# Allegro board SDHCalFEB_old.brd (continued)
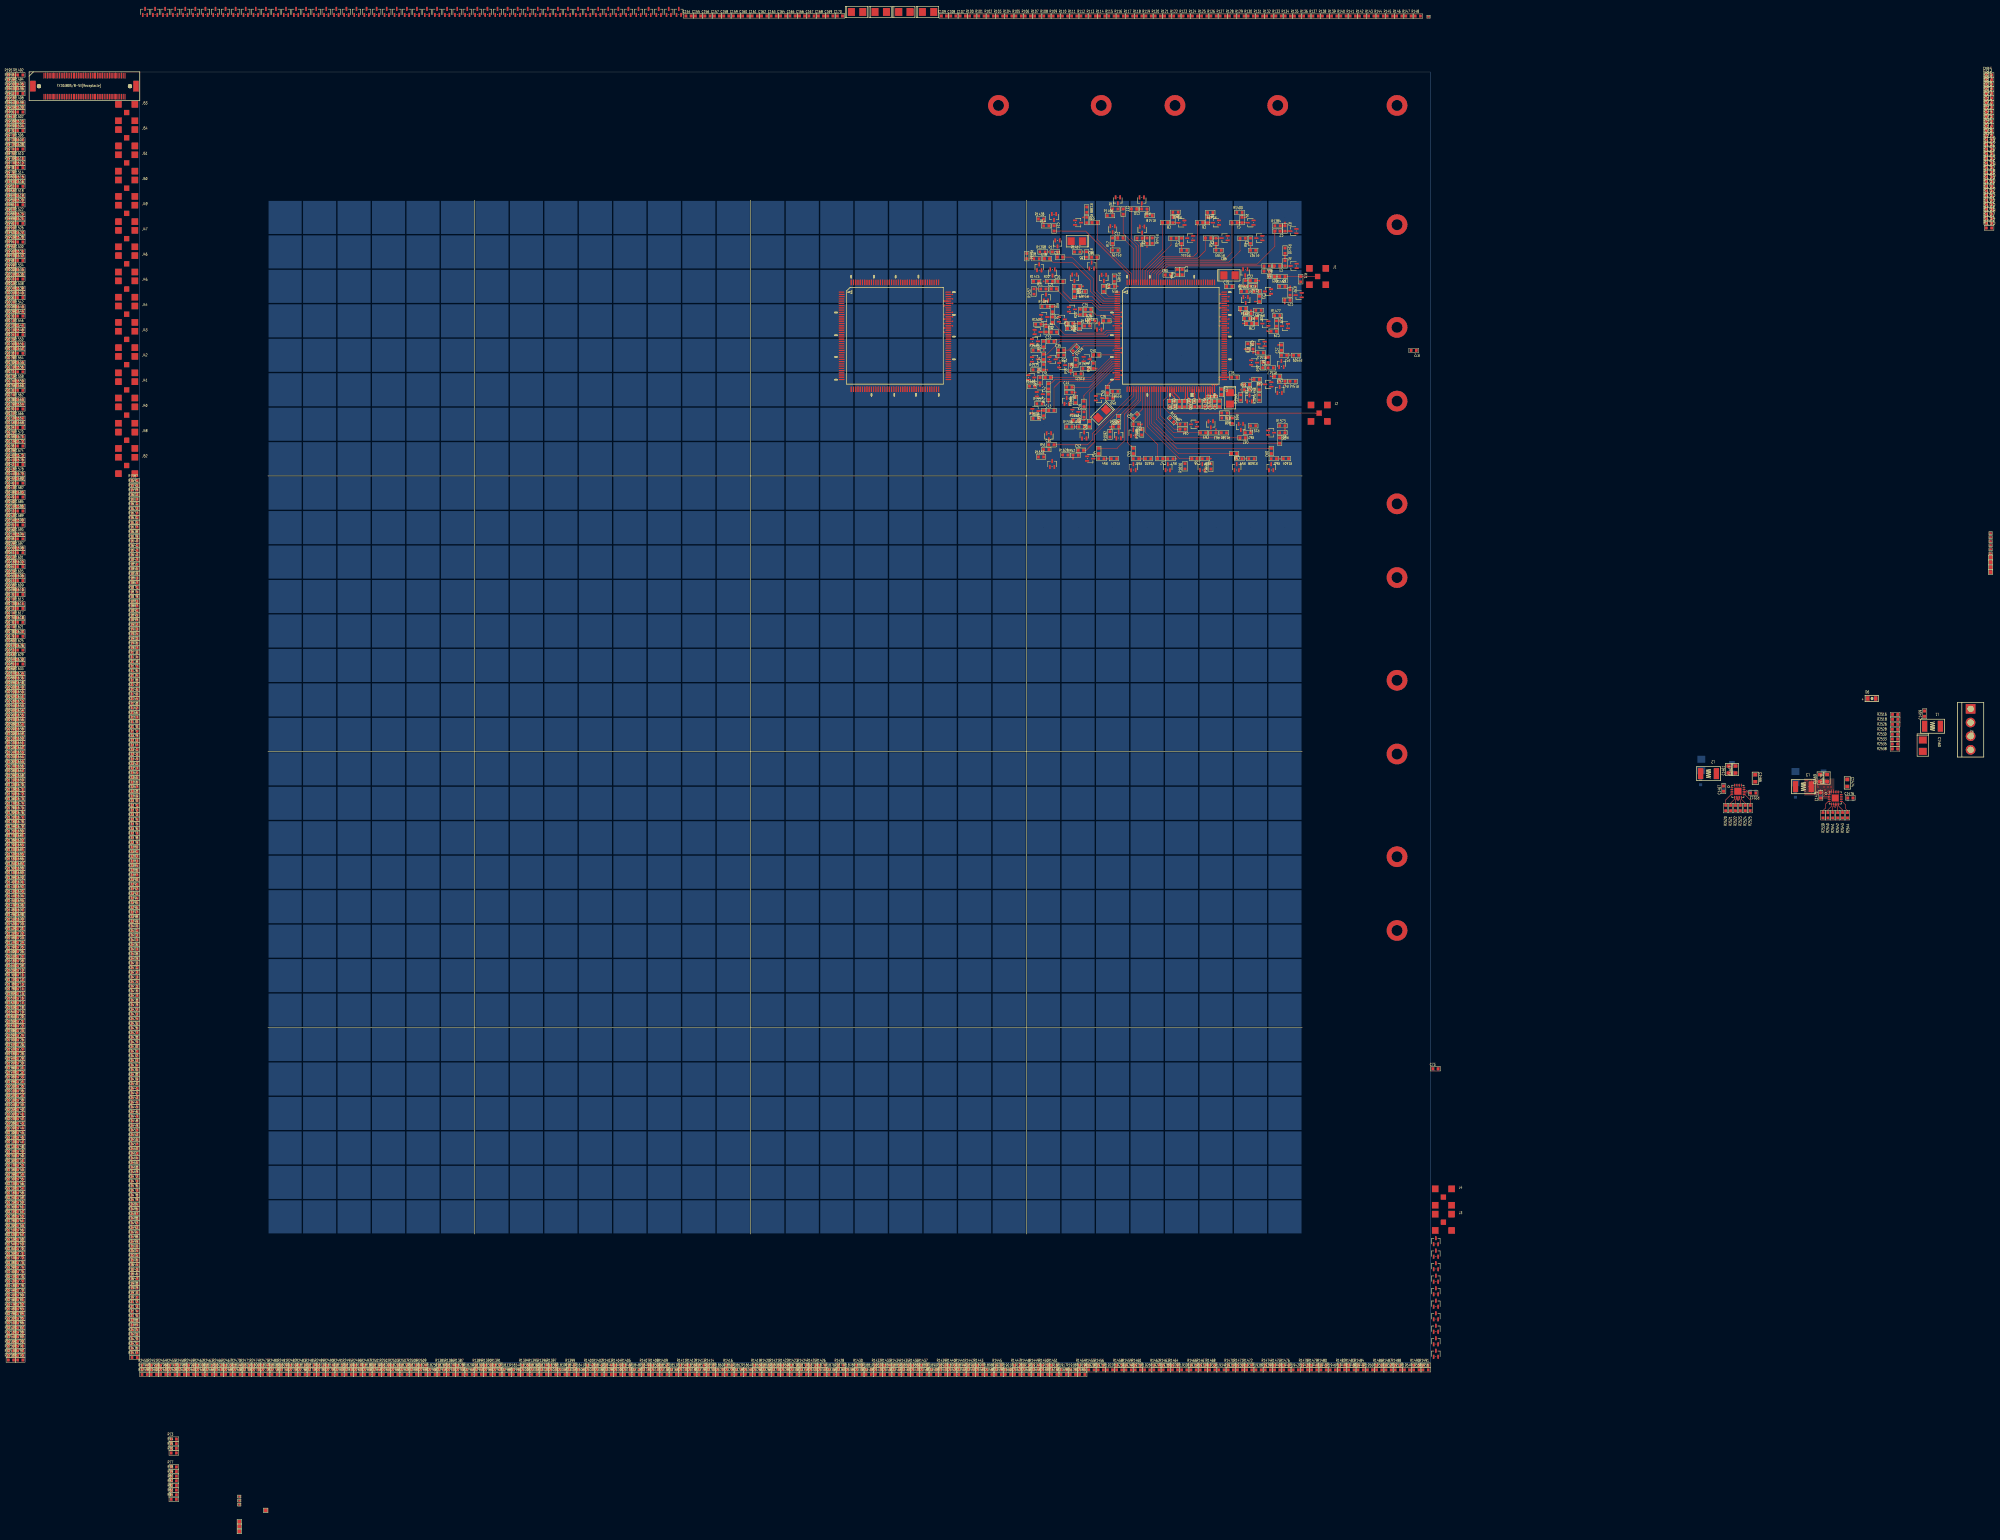
[diagram p0: board, top side]
## Nets (continued)
N10224: P1.N1 R1773.2
N10228: P1.N2 R1777.2
N10232: P1.N3 R1781.2
N10236: P1.N4 R1785.2
N10240: P1.N5 R1789.2
N10244: P1.N6 R1793.2
N10248: P1.N7 R1797.2
N10252: P1.N8 R1801.2
N10256: P1.P1 R1805.2
N10260: P1.P2 R1809.2
N10264: P1.P3 R1813.2
N10268: P1.P4 R1817.2
N10272: P1.P5 R1821.2
N10276: P1.P6 R1825.2
N10280: P1.P7 R1829.2
N10284: P1.P8 R1833.2
N10288: P1.Q1 R1837.2
N10292: P1.Q2 R1841.2
N10296: P1.Q4 R1848.2
N10300: P1.Q3 R1844.2
N10304: P1.Q6 R1856.2
N10308: P1.Q5 R1852.2
N10312: P1.Q8 R1864.2
N10316: P1.Q7 R1860.2
N10320: P1.R4 R1880.2
N10324: P1.R3 R1876.2
N10328: P1.R2 R1872.2
N10332: P1.R1 R1868.2
N10336: P1.R8 R1896.2
N10340: P1.R7 R1892.2
N10344: P1.R6 R1888.2
N10348: P1.R5 R1884.2
N11120: P1.J9 R1650.2
N11124: P1.J10 R1653.2
N11128: P1.J11 R1655.2
N11132: P1.J12 R1705.2
N11136: P1.J13 R1695.2
N11140: P1.J14 R1661.2
N11144: P1.J15 R1664.2
N11148: P1.J16 R1667.2
N11152: P1.K9 R1699.2
N11156: P1.K10 R1701.2
N11160: P1.K11 R1673.2
N11164: P1.K12 R1676.2
N11168: P1.K13 R1679.2
N11172: P1.K14 R1716.2
N11176: P1.K15 R1707.2
N11180: P1.K16 R1708.2
N11184: P1.L9 R1689.2
N11188: P1.L10 R1709.2
N11192: P1.L12 R1726.2
N11196: P1.L11 R1722.2
N11200: P1.L14 R1734.2
N11204: P1.L13 R1730.2
N11208: P1.L16 R1742.2
N11212: P1.L15 R1738.2
N11216: P1.M12 R1758.2
N11220: P1.M11 R1754.2
N11224: P1.M10 R1750.2
N11228: P1.M9 R1746.2
N11232: P1.M16 R1774.2
N11236: P1.M15 R1770.2
N11240: P1.M14 R1766.2
N11244: P1.M13 R1762.2
N11248: P1.N9 R1778.2
N11252: P1.N10 R1782.2
N11256: P1.N11 R1786.2
N11260: P1.N12 R1790.2
N11264: P1.N13 R1794.2
N11268: P1.N14 R1798.2
N11272: P1.N15 R1802.2
N11276: P1.N16 R1806.2
N11280: P1.P9 R1810.2
N11284: P1.P10 R1814.2
N11288: P1.P11 R1818.2
N11292: P1.P12 R1822.2
N11296: P1.P13 R1826.2
N11300: P1.P14 R1830.2
N11304: P1.P15 R1834.2
N11308: P1.P16 R1838.2
N11312: P1.Q9 R1842.2
N11316: P1.Q10 R1845.2
N11320: P1.Q12 R1853.2
N11324: P1.Q11 R1849.2
N11328: P1.Q14 R1861.2
N11332: P1.Q13 R1857.2
N11336: P1.Q16 R1869.2
N11340: P1.Q15 R1865.2
N11344: P1.R12 R1885.2
N11348: P1.R11 R1881.2
N11352: P1.R10 R1877.2
N11356: P1.R9 R1873.2
N11360: P1.R16 R1900.2
N11364: P1.R15 R1897.2
N11368: P1.R14 R1893.2
N11372: P1.R13 R1889.2
N11888: P1.J17 R1651.2
N11892: P1.J18 R1710.2
N11896: P1.J19 R1693.2
N11900: P1.J20 R1694.2
N11904: P1.J21 R1659.2
N11908: P1.J22 R1662.2
N11912: P1.J23 R1665.2
N11916: P1.J24 R1713.2
N11920: P1.K17 R1669.2
N11924: P1.K18 R1671.2
N11928: P1.K19 R1674.2
N11932: P1.K20 R1677.2
N11936: P1.K21 R1715.2
N11940: P1.K22 R1704.2
N11944: P1.K23 R1683.2
N11948: P1.K24 R1686.2
N11952: P1.L17 R1717.2
N11956: P1.L18 R1719.2
N11960: P1.L20 R1727.2
N11964: P1.L19 R1723.2
N11968: P1.L22 R1735.2
N11972: P1.L21 R1731.2
N11976: P1.L24 R1743.2
N11980: P1.L23 R1739.2
N11984: P1.M20 R1759.2
N11988: P1.M19 R1755.2
N11992: P1.M18 R1751.2
N11996: P1.M17 R1747.2
N12000: P1.M24 R1775.2
N12004: P1.M23 R1771.2
N12008: P1.M22 R1767.2
N12012: P1.M21 R1763.2
N12016: P1.N17 R1779.2
N12020: P1.N18 R1783.2
N12024: P1.N19 R1787.2
N12028: P1.N20 R1791.2
N12032: P1.N21 R1795.2
N12036: P1.N22 R1799.2
N12040: P1.N23 R1803.2
N12044: P1.N24 R1807.2
N12048: P1.P17 R1811.2
N12052: P1.P18 R1815.2
N12056: P1.P19 R1819.2
N12060: P1.P20 R1823.2
N12064: P1.P21 R1827.2
N12068: P1.P22 R1831.2
N12072: P1.P23 R1835.2
N12076: P1.P24 R1839.2
N12080: P1.Q17 R1843.2
N12084: P1.Q18 R1846.2
N12088: P1.Q20 R1854.2
N12092: P1.Q19 R1850.2
N12096: P1.Q22 R1862.2
N12100: P1.Q21 R1858.2
N12104: P1.Q24 R1870.2
N12108: P1.Q23 R1866.2
N12112: P1.R20 R1886.2
N12116: P1.R19 R1882.2
N12120: P1.R18 R1878.2
N12124: P1.R17 R1874.2
N12128: P1.R24 R1901.2
N12132: P1.R23 R1898.2
N12136: P1.R22 R1894.2
N12140: P1.R21 R1890.2
N12656: P1.J25 R1691.2
N12660: P1.J26 R1692.2
N12664: P1.J27 R1656.2
N12668: P1.J28 R1658.2
N12672: P1.J29 R1660.2
N12676: P1.J30 R1663.2
N12680: P1.K25 R1712.2
N12684: P1.K26 R1698.2
N12688: P1.K27 R1670.2
N12692: P1.K28 R1672.2
N12696: P1.K29 R1714.2
N12700: P1.K30 R1706.2
N12704: P1.L25 R1703.2
N12708: P1.L26 R1681.2
N12712: P1.L27 R1684.2
N12716: P1.L28 R1687.2
N12720: P1.L29 R1718.2
N12724: P1.L30 R1720.2
N12728: P1.M26 R1728.2
N12732: P1.M25 R1724.2
N12736: P1.M28 R1736.2
N12740: P1.M27 R1732.2
N12744: P1.M30 R1744.2
N12748: P1.M29 R1740.2
N12752: P1.N28 R1760.2
N12756: P1.N27 R1756.2
N12760: P1.N26 R1752.2
N12764: P1.N25 R1748.2
N12768: P1.P26 R1776.2
N12772: P1.P25 R1772.2
N12776: P1.N30 R1768.2
N12780: P1.N29 R1764.2
N12784: P1.P27 R1780.2
N12788: P1.P28 R1784.2
N12792: P1.P29 R1788.2
N12796: P1.P30 R1792.2
N12800: P1.Q25 R1796.2
N12804: P1.Q26 R1800.2
N12808: P1.Q27 R1804.2
N12812: P1.Q28 R1808.2
N12816: P1.Q29 R1812.2
N12820: P1.Q30 R1816.2
N12824: P1.R25 R1820.2
N12828: P1.R26 R1824.2
N12832: P1.R27 R1828.2
N12836: P1.R28 R1832.2
N12840: P1.R29 R1836.2
N12844: P1.R30 R1840.2
N13558: P1.S1 R1912.2
N13562: P1.S2 R1936.2
N13566: P1.S3 R1940.2
N13570: P1.S4 R1914.2
N13574: P1.S5 R1945.2
N13578: P1.S6 R1947.2
N13582: P1.S7 R1949.2
N13586: P1.S8 R1952.2
N13590: P1.T1 R1919.2
N13594: P1.T2 R1957.2
N13598: P1.T3 R1958.2
N13602: P1.T4 R1961.2
N13606: P1.T5 R1965.2
N13610: P1.T6 R1926.2
N13614: P1.T7 R1927.2
N13618: P1.T8 R1973.2
N13622: P1.U1 R1974.2
N13626: P1.U2 R1933.2
N13630: P1.U4 R1988.2
N13634: P1.U3 R1984.2
N13638: P1.U6 R1996.2
N13642: P1.U5 R1992.2
N13646: P1.U8 R2004.2
N13650: P1.U7 R2000.2
N13654: P1.V4 R2020.2
N13658: P1.V3 R2016.2
N13662: P1.V2 R2012.2
N13666: P1.V1 R2008.2
N13670: P1.V8 R2036.2
N13674: P1.V7 R2032.2
N13678: P1.V6 R2028.2
N13682: P1.V5 R2024.2
N13686: P1.W1 R2040.2
N13690: P1.W2 R2044.2
N13694: P1.W3 R2048.2
N13698: P1.W4 R2052.2
N13702: P1.W5 R2056.2
N13706: P1.W6 R2060.2
N13710: P1.W7 R2064.2
N13714: P1.W8 R2068.2
N13718: P1.Y1 R2072.2
N13722: P1.Y2 R2076.2
N13726: P1.Y3 R2080.2
N13730: P1.Y4 R2084.2
N13734: P1.Y5 R2088.2
N13738: P1.Y6 R2092.2
N13742: P1.Y7 R2096.2
N13746: P1.Y8 R2100.2
N13750: P1.Z1 R2104.2
N13754: P1.Z2 R2107.2
N13758: P1.Z4 R2115.2
N13762: P1.Z3 R2111.2
N13766: P1.Z6 R2123.2
N13770: P1.Z5 R2119.2
N13774: P1.Z8 R2131.2
N13778: P1.Z7 R2127.2
N13782: P1.AA4 R2147.2
N13786: P1.AA3 R2143.2
N13790: P1.AA2 R2139.2
N13794: P1.AA1 R2135.2
N13798: P1.AA8 R2163.2
N13802: P1.AA7 R2159.2
N13806: P1.AA6 R2155.2
N13810: P1.AA5 R2151.2
N14326: P1.S9 R1913.2
N14330: P1.S10 R1937.2
N14334: P1.S11 R1941.2
N14338: P1.S12 R1924.2
N14342: P1.S13 R1915.2
N14346: P1.S14 R1975.2
N14350: P1.S15 R1950.2
N14354: P1.S16 R1953.2
N14358: P1.T9 R1920.2
N14362: P1.T10 R1976.2
N14366: P1.T11 R1959.2
N14370: P1.T12 R1962.2
N14374: P1.T13 R1966.2
N14378: P1.T14 R1969.2
N14382: P1.T15 R1928.2
N14386: P1.T16 R1930.2
N14390: P1.U9 R1978.2
N14394: P1.U10 R1981.2
N14398: P1.U12 R1989.2
N14402: P1.U11 R1985.2
N14406: P1.U14 R1997.2
N14410: P1.U13 R1993.2
N14414: P1.U16 R2005.2
N14418: P1.U15 R2001.2
N14422: P1.V12 R2021.2
N14426: P1.V11 R2017.2
N14430: P1.V10 R2013.2
N14434: P1.V9 R2009.2
N14438: P1.V16 R2037.2
N14442: P1.V15 R2033.2
N14446: P1.V14 R2029.2
N14450: P1.V13 R2025.2
N14454: P1.W9 R2041.2
N14458: P1.W10 R2045.2
N14462: P1.W11 R2049.2
N14466: P1.W12 R2053.2
N14470: P1.W13 R2057.2
N14474: P1.W14 R2061.2
N14478: P1.W15 R2065.2
N14482: P1.W16 R2069.2
N14486: P1.Y9 R2073.2
N14490: P1.Y10 R2077.2
N14494: P1.Y11 R2081.2
N14498: P1.Y12 R2085.2
N14502: P1.Y13 R2089.2
N14506: P1.Y14 R2093.2
N14510: P1.Y15 R2097.2
N14514: P1.Y16 R2101.2
N14518: P1.Z9 R2105.2
N14522: P1.Z10 R2108.2
N14526: P1.Z12 R2116.2
N14530: P1.Z11 R2112.2
N14534: P1.Z14 R2124.2
N14538: P1.Z13 R2120.2
N14542: P1.Z16 R2132.2
N14546: P1.Z15 R2128.2
N14550: P1.AA12 R2148.2
N14554: P1.AA11 R2144.2
N14558: P1.AA10 R2140.2
N14562: P1.AA9 R2136.2
N14566: P1.AA16 R2164.2
N14570: P1.AA15 R2160.2
N14574: P1.AA14 R2156.2
N14578: P1.AA13 R2152.2
N15094: P1.S17 R1934.2
N15098: P1.S18 R1938.2
N15102: P1.S19 R1942.2
N15106: P1.S20 R1944.2
N15110: P1.S21 R1946.2
N15114: P1.S22 R1917.2
N15118: P1.S23 R1918.2
N15122: P1.S24 R1954.2
N15126: P1.T17 R1956.2
N15130: P1.T18 R1922.2
N15134: P1.T19 R1923.2
N15138: P1.T20 R1963.2
N15142: P1.T21 R1967.2
N15146: P1.T22 R1970.2
N15150: P1.T23 R1972.2
N15154: P1.T24 R1931.2
N15158: P1.U17 R1979.2
N15162: P1.U18 R1982.2
N15166: P1.U20 R1990.2
N15170: P1.U19 R1986.2
N15174: P1.U22 R1998.2
N15178: P1.U21 R1994.2
N15182: P1.U24 R2006.2
N15186: P1.U23 R2002.2
N15190: P1.V20 R2022.2
N15194: P1.V19 R2018.2
N15198: P1.V18 R2014.2
N15202: P1.V17 R2010.2
N15206: P1.V24 R2038.2
N15210: P1.V23 R2034.2
N15214: P1.V22 R2030.2
N15218: P1.V21 R2026.2
N15222: P1.W17 R2042.2
N15226: P1.W18 R2046.2
N15230: P1.W19 R2050.2
N15234: P1.W20 R2054.2
N15238: P1.W21 R2058.2
N15242: P1.W22 R2062.2
N15246: P1.W23 R2066.2
N15250: P1.W24 R2070.2
N15254: P1.Y17 R2074.2
N15258: P1.Y18 R2078.2
N15262: P1.Y19 R2082.2
N15266: P1.Y20 R2086.2
N15270: P1.Y21 R2090.2
N15274: P1.Y22 R2094.2
N15278: P1.Y23 R2098.2
N15282: P1.Y24 R2102.2
N15286: P1.Z17 R2106.2
N15290: P1.Z18 R2109.2
N15294: P1.Z20 R2117.2
N15298: P1.Z19 R2113.2
N15302: P1.Z22 R2125.2
N15306: P1.Z21 R2121.2
N15310: P1.Z24 R2133.2
N15314: P1.Z23 R2129.2
N15318: P1.AA20 R2149.2
N15322: P1.AA19 R2145.2
N15326: P1.AA18 R2141.2
N15330: P1.AA17 R2137.2
N15334: P1.AA24 R2165.2
N15338: P1.AA23 R2161.2
N15342: P1.AA22 R2157.2
N15346: P1.AA21 R2153.2
N15862: P1.S25 R1935.2
N15866: P1.S26 R1939.2
N15870: P1.S27 R1943.2
N15874: P1.S28 R1925.2
N15878: P1.S29 R1916.2
N15882: P1.S30 R1948.2
N15886: P1.T25 R1951.2
N15890: P1.T26 R1955.2
N15894: P1.T27 R1921.2
N15898: P1.T28 R1977.2
N15902: P1.T29 R1960.2
N15906: P1.T30 R1964.2
N15910: P1.U25 R1968.2
N15914: P1.U26 R1971.2
N15918: P1.U27 R1929.2
N15922: P1.U28 R1932.2
N15926: P1.U29 R1980.2
N15930: P1.U30 R1983.2
N15934: P1.V26 R1991.2
N15938: P1.V25 R1987.2
N15942: P1.V28 R1999.2
N15946: P1.V27 R1995.2
N15950: P1.V30 R2007.2
N15954: P1.V29 R2003.2
N15958: P1.W28 R2023.2
N15962: P1.W27 R2019.2
N15966: P1.W26 R2015.2
N15970: P1.W25 R2011.2
N15974: P1.Y26 R2039.2
N15978: P1.Y25 R2035.2
N15982: P1.W30 R2031.2
N15986: P1.W29 R2027.2
N15990: P1.Y27 R2043.2
N15994: P1.Y28 R2047.2
N15998: P1.Y29 R2051.2
N16002: P1.Y30 R2055.2
N16006: P1.Z25 R2059.2
N16010: P1.Z26 R2063.2
N16014: P1.Z27 R2067.2
N16018: P1.Z28 R2071.2
N16022: P1.Z29 R2075.2
N16026: P1.Z30 R2079.2
N16030: P1.AA25 R2083.2
N16034: P1.AA26 R2087.2
N16038: P1.AA27 R2091.2
N16042: P1.AA28 R2095.2
N16046: P1.AA29 R2099.2
N16050: P1.AA30 R2103.2
N16534: P1.AB1 R2176.2
N16538: P1.AB2 R2225.2
N16542: P1.AB3 R2181.2
N16546: P1.AB4 R2183.2
N16550: P1.AB5 R2185.2
N16554: P1.AB6 R2186.2
N16558: P1.AB7 R2194.2
N16562: P1.AB8 R2218.2
N16566: P1.AC1 R2206.2
N16570: P1.AC2 R2208.2
N16574: P1.AC3 R2209.2
N16578: P1.AC4 R2221.2
N16582: P1.AC5 R2223.2
N16586: P1.AC6 R2224.2
N16590: P1.AC7 R2232.2
N16594: P1.AC8 R2236.2
N16598: P1.AD1 R2240.2
N16602: P1.AD2 R2244.2
N16606: P1.AD4 R2252.2
N16610: P1.AD3 R2248.2
N16614: P1.AD6 R2260.2
N16618: P1.AD5 R2256.2
N16622: P1.AD8 R2268.2
N16626: P1.AD7 R2264.2
N16630: P1.AE4 R2284.2
N16634: P1.AE3 R2280.2
N16638: P1.AE2 R2276.2
N16642: P1.AE1 R2272.2
N16646: P1.AE8 R2300.2
N16650: P1.AE7 R2296.2
N16654: P1.AE6 R2292.2
N16658: P1.AE5 R2288.2
N16662: P1.AF1 R2304.2
N16666: P1.AF2 R2308.2
N16670: P1.AF3 R2312.2
N16674: P1.AF4 R2316.2
N16678: P1.AF5 R2320.2
N16682: P1.AF6 R2323.2
N16686: P1.AF7 R2326.2
N16690: P1.AF8 R2330.2
N16694: P1.AG1 R2334.2
N16698: P1.AG2 R2338.2
N16702: P1.AG3 R2342.2
N16706: P1.AG4 R2346.2
N16710: P1.AG5 R2350.2
N16714: P1.AG6 R2354.2
N16718: P1.AG7 R2358.2
N16722: P1.AG8 R2362.2
N17302: P1.AB9 R2177.2
N17306: P1.AB10 R2213.2
N17310: P1.AB11 R2214.2
N17314: P1.AB12 R2226.2
N17318: P1.AB13 R2227.2
N17322: P1.AB14 R2228.2
N17326: P1.AB15 R2187.2
N17330: P1.AB16 R2204.2
N17334: P1.AC9 R2196.2
N17338: P1.AC10 R2197.2
N17342: P1.AC11 R2198.2
N17346: P1.AC12 R2210.2
N17350: P1.AC13 R2211.2
N17354: P1.AC14 R2212.2
N17358: P1.AC15 R2233.2
N17362: P1.AC16 R2237.2
N17366: P1.AD9 R2241.2
N17370: P1.AD10 R2245.2
N17374: P1.AD12 R2253.2
N17378: P1.AD11 R2249.2
N17382: P1.AD14 R2261.2
N17386: P1.AD13 R2257.2
N17390: P1.AD16 R2269.2
N17394: P1.AD15 R2265.2
N17398: P1.AE12 R2285.2
N17402: P1.AE11 R2281.2
N17406: P1.AE10 R2277.2
N17410: P1.AE9 R2273.2
N17414: P1.AE16 R2301.2
N17418: P1.AE15 R2297.2
N17422: P1.AE14 R2293.2
N17426: P1.AE13 R2289.2
N17430: P1.AF9 R2305.2
N17434: P1.AF10 R2309.2
N17438: P1.AF11 R2313.2
N17442: P1.AF12 R2317.2
N17446: P1.AF13 R2321.2
N17450: P1.AF14 R2324.2
N17454: P1.AF15 R2327.2
N17458: P1.AF16 R2331.2
N17462: P1.AG9 R2335.2
N17466: P1.AG10 R2339.2
N17470: P1.AG11 R2343.2
N17474: P1.AG12 R2347.2
N17478: P1.AG13 R2351.2
N17482: P1.AG14 R2355.2
N17486: P1.AG15 R2359.2
N17490: P1.AG16 R2363.2
N17878: P1.AB17 R2178.2
N17882: P1.AB18 R2191.2
N17886: P1.AB19 R2202.2
N17890: P1.AB20 R2203.2
N17894: P1.AB21 R2215.2
N17898: P1.AB22 R2216.2
N17902: P1.AB23 R2217.2
N17906: P1.AB24 R2205.2
N17910: P1.AC17 R2188.2
N17914: P1.AC18 R2189.2
N17918: P1.AC19 R2190.2
N17922: P1.AC20 R2199.2
N17926: P1.AC21 R2200.2
N17930: P1.AC22 R2201.2
N17934: P1.AC23 R2234.2
N17938: P1.AC24 R2238.2
N17942: P1.AD17 R2242.2
N17946: P1.AD18 R2246.2
N17950: P1.AD20 R2254.2
N17954: P1.AD19 R2250.2
N17958: P1.AD22 R2262.2
N17962: P1.AD21 R2258.2
N17966: P1.AD24 R2270.2
N17970: P1.AD23 R2266.2
N17974: P1.AE20 R2286.2
N17978: P1.AE19 R2282.2
N17982: P1.AE18 R2278.2
N17986: P1.AE17 R2274.2
N17990: P1.AE24 R2302.2
N17994: P1.AE23 R2298.2
N17998: P1.AE22 R2294.2
N18002: P1.AE21 R2290.2
N18006: P1.AF17 R2306.2
N18010: P1.AF18 R2310.2
N18014: P1.AF19 R2314.2
N18018: P1.AF20 R2318.2
N18022: P1.AF21 R2322.2
N18026: P1.AF22 R2325.2
N18030: P1.AF23 R2328.2
N18034: P1.AF24 R2332.2
N18038: P1.AG17 R2336.2
N18042: P1.AG18 R2340.2
N18046: P1.AG19 R2344.2
N18050: P1.AG20 R2348.2
N18054: P1.AG21 R2352.2
N18058: P1.AG22 R2356.2
N18062: P1.AG23 R2360.2
N18066: P1.AG24 R2364.2
N224768: C1461.1 C1462.1 C1463.1 C1467.2 L2.1 R2515.1 U1076.1(OUT#1) U1076.19(OUT#19) U1076.20(OUT#20)
N224788: C1468.1 U1076.13(NR/SS)
N224836: C1467.1 U1076.3(FB)
N224884: R2513.2 U1076.12(BIAS)
N225120: R2520.2 U1076.5(50MV)
N225194: R2521.2 U1076.6(100MV)
N225214: R2522.2 U1076.7(200MV)
N225218: R2523.2 U1076.9(400MV)
N225222: R2524.2 U1076.10(800MV)
N225226: R2525.2 U1076.11(1.6V)
N229854: D6.1(ANODE) R2512.1
N348896: R1587.2
N348908: R1591.2
N348978: R1595.2
N348982: R1599.2
N349118: R1603.2
N349122: R1607.2
N349158: R1611.2
N349162: R1615.2
N349366: R1619.2
N349370: R1623.2
N349406: R1627.2
N349410: R1631.2
N349430: R1635.2
N349450: R1637.2
N349486: R1638.2
N349490: R1639.2
N364221: R1903.2
N364257: R1851.2
N364261: R1847.2
N364297: R1859.2
N364301: R1855.2
N364337: R1863.2
N364357: R1867.2
N364377: R1875.2
N364381: R1871.2
N364417: R1883.2
N364421: R1879.2
N364457: R1887.2
N364477: R1891.2
N364481: R1895.2
N364501: R1899.2
N364537: R1902.2
N369135: R2167.2
N369171: R2114.2
N369175: R2110.2
N369211: R2122.2
N369215: R2118.2
N369251: R2126.2
N369271: R2130.2
N369291: R2138.2
N369295: R2134.2
N369331: R2146.2
N369335: R2142.2
N369371: R2150.2
N369391: R2154.2
N369395: R2158.2
N369415: R2162.2
N369451: R2166.2
N370967: R2442.2
N371003: R2370.2
N371007: R2367.2
N371043: R2378.2
N371047: R2374.2
N371083: R2384.2
N371103: R2390.2
N371123: R2400.2
N371127: R2394.2
N371163: R2410.2
N371167: R2406.2
N371203: R2416.2
N371223: R2422.2
N371227: R2426.2
N371247: R2432.2
N371283: R2438.2
N374415: R2448.2
N374451: R2375.2
N374455: R2371.2
N374491: R2385.2
N374495: R2379.2
N374531: R2391.2
N374551: R2395.2
N374571: R2407.2
N374575: R2401.2
N374611: R2417.2
N374615: R2411.2
N374651: R2423.2
N374671: R2427.2
N374675: R2433.2
N374695: R2439.2
N374731: R2443.2
N376173: R2444.2
N376209: R2372.2
N376213: R2368.2
N376249: R2380.2
N376253: R2376.2
N376289: R2386.2
N376309: R2392.2
N376329: R2402.2
N376333: R2396.2
N376369: R2412.2
N376373: R2408.2
N376409: R2418.2
N376429: R2424.2
N376433: R2428.2
N376453: R2434.2
N376489: R2440.2
N377224: R2387.2
N377260: R2333.2
N377264: R2329.2
N377300: R2341.2
N377304: R2337.2
N377340: R2345.2
N377360: R2349.2
N377380: R2357.2
N377384: R2353.2
N377420: R2365.2
N377424: R2361.2
N377460: R2366.2
N377480: R2369.2
N377484: R2373.2
N377504: R2377.2
N377540: R2381.2
N379992: R2449.2
N380012: R2393.2
N380048: R2397.2
N380068: R2409.2
N380072: R2403.2
N380092: R2419.2
N380112: R2413.2
N380148: R2425.2
N380152: R2429.2
N380156: R2435.2
N380192: R2441.2
N380228: R2445.2
N512051: R2382.1
N512174: R2398.1
N512316: R2414.1
N512437: R2430.1
N512726: R2446.1
N512782: R2452.1
N512838: R2456.1
N512894: R2460.1
N513434: R2464.1
N513490: R2468.1
N513546: R2472.1
N513602: R2478.1
N513658: R2486.1
N513714: R2493.1
N513770: R2499.1
N513826: R2505.1
N515186: R2383.1
N515242: R2399.1
N515298: R2415.1
N515354: R2431.1
N515410: R2447.1
N515466: R2453.1
N515522: R2457.1
N515578: R2461.1
N515634: R2465.1
N515690: R2469.1
N515746: R2473.1
N515802: R2479.1
N515858: R2488.1
N515914: R2494.1
N515970: R2500.1
N516026: R2506.1
N516450: R2487.1
N516506: R2492.1
N516562: R2498.1
N516618: R2504.1
N637004: R2484.2 R2485.2
N637042: R2484.1
N639754: R2476.2 R2480.2
N639802: R2476.1
N639866: R2477.2 R2481.2
N639914: R2477.1
N639978: R2168.2 R2172.2
N640026: R2168.1
N641096: R2169.2 R2173.2
N641144: R2169.1
N642172: R2170.2 R2174.2
N642220: R2170.1
N645686: R2171.2 R2175.2
N645734: R2171.1
N646746: R1904.2 R1908.2
N646794: R1904.1
N647858: R1905.2 R1909.2
N647906: R1905.1
N648962: R1906.2 R1910.2
N649010: R1906.1
N650048: R1907.2 R1911.2
N650096: R1907.1
N650160: R1640.2 R1644.2
N650208: R1640.1
N651234: R1641.2 R1645.2
N651282: R1641.1
N652294: R1642.2 R1646.2
N652342: R1642.1
N654267: R1643.2 R1647.2
N654315: R1643.1
N2248761: R2515.2 U1076.2(SNS)
N16754290: C1469.1 C1470.1 C1471.1 C1475.2 L3.1 R2536.1 U1077.1(OUT#1) U1077.19(OUT#19) U1077.20(OUT#20)
N16754310: C1476.1 U1077.13(NR/SS)
N16754358: C1475.1 U1077.3(FB)
N16754406: R2531.2 U1077.12(BIAS)
N16754610: R2539.2 U1077.5(50MV)
N16754668: R2540.2 U1077.6(100MV)
N16754688: R2541.2 U1077.7(200MV)
N16754708: R2542.2 U1077.9(400MV)
N16754712: R2543.2 U1077.10(800MV)
N16754716: R2544.2 U1077.11(1.6V)
N16767944: C1464.2
N167543981: R2536.2 U1077.2(SNS)

Pads without a net: U65 2 40 63 65 72 91 123 124 130 131 132 133 134 135; U130 2 40 63 65 72 91 123 124 130 131 132 133 134 135; U1075 1 2 5 6 7 8 9 10 13 14 15 16 19 20 21 22 23 24 25 26 29 30 31 32 35 36 37 38 41 42 43 44 45 46 47 48 51 52 53 54 57 58 59 60 63 64 65 66 67 68 69 70 73 74 75 76 79 80 81 82 85 86 87 88

## Via types
v1: diameter 0.508, hole 0.305, TOP to BOTTOM, 10 vias
v2: diameter 0.508, hole 0.102, TOP to GND1, 121 vias
v3: diameter 0.711, hole 0.305, GND1 to GND3, 131 vias
v4: diameter 6, hole 3.2, TOP to BOTTOM, 14 vias
v5: diameter 0.508, hole 0.102, GND3 to BOTTOM, 80 vias

## Routing (per net, layer and track width the routed paths; a pad name or vN(x,y) marks a point on that pad's centre or on a via; arc(x,y) is an arc through that point)
GND: length 1.6
  TOP w0.254: U1076.8 v1(463.58,163.17) ; U1077.8 v1(491.79,161.22)
VCC3.3VA: length 14.5
  TOP w0.254: U65.60 298.77,279.51 298.72,279.47 C81.1 ; C83.1 304.59,279.5 303.97,280.12 U65.68 ; C79.1 308.96,279.52 309.17,279.73 U65.76 ; U65.67 303.32,279.76 303.03,279.47 C82.1
VCC3.3VD_64830: length 9.7
  TOP w0.254: U65.80 v2(311.77,283.64)
  TOP w0.305: v2(315.77,285.82) U65.82 v2(313.21,285.82)
  GND1 w0.254: v2(312.4,283.64) v2(311.77,283.64) ; v2(311.77,283.64) v2(311.13,283.64) ; v2(311.77,283.64) v3(311.77,284.38) ; v2(313.21,285.82) v2(313.21,285.19) 313.11,285.19 v3(312.47,285.82) v2(313.21,285.82)
  GND1 w0.305: v2(315.77,285.82) v3(317.25,285.82)
ANALOGIN1_ASIC_A1: length 1.5
  TOP w0.127: C1.2 R65.1
ANALOGIN2_ASIC_A1: length 44.6
  TOP w0.127: U65.147 294.87,315.72 297.81,318.67 324.15,318.67 329.27,323.79 C2.2
ANALOGIN3_ASIC_A1: length 33.9
  TOP w0.127: U65.148 294.22,315.91 297.56,319.25 315.95,319.25 319.16,322.47 C3.2
ANALOGIN4_ASIC_A1: length 37
  TOP w0.127: C4.2 316.83,322.08 314.58,319.84 297.38,319.84 293.57,316.02 U65.149
ANALOGIN5_ASIC_A1: length 25.4
  TOP w0.127: C5.2 309.13,322.59 306.96,320.42 297.08,320.42 292.92,316.26 U65.150
ANALOGIN6_ASIC_A1: length 28.6
  TOP w0.127: U65.151 292.27,316.45 296.77,320.95 305.71,320.95 306.82,322.06 C6.2
ANALOGIN7_ASIC_A1: length 15.9
  TOP w0.127: C7.2 299.15,324.19 291.62,316.66 U65.152
ANALOGIN8_ASIC_A1: length 19.7
  TOP w0.127: U65.153 290.97,317.13 296.66,322.82 C8.2
ANALOGIN9_ASIC_A1: length 13.3
  TOP w0.127: C9.2 289.27,325.59 290.32,324.54 U65.154
ANALOGIN10_ASIC_A1: length 22.1
  TOP w0.127: C10.2 287.67,326.15 289.67,324.15 U65.155
ANALOGIN11_ASIC_A1: length 21.4
  TOP w0.127: C11.2 285.25,327.58 289.02,323.81 U65.156
ANALOGIN12_ASIC_A1: length 14.2
  TOP w0.127: C12.2 285.23,326.19 288.37,323.05 U65.157
ANALOGIN13_ASIC_A1: length 21.5
  TOP w0.127: C13.2 277.76,325.74 287.72,315.79 U65.158
ANALOGIN14_ASIC_A1: length 29.3
  TOP w0.127: U65.159 287.07,315.52 274.33,328.26 C14.2
ANALOGIN15_ASIC_A1: length 4.5
  TOP w0.127: U65.3 281.16,309.22 279.7,310.68 C15.2
ANALOGIN16_ASIC_A1: length 16.6
  TOP w0.127: C16.2 277.66,310.96 280.05,308.57 U65.4
ANALOGIN17_ASIC_A1: length 23.3
  TOP w0.127: U65.5 279.56,307.92 276.66,310.82 276.66,314.45 270.4,320.7 C17.2
ANALOGIN18_ASIC_A1: length 26.9
  TOP w0.127: U65.6 279.29,307.27 275.77,310.79 275.77,313.92 270.59,319.1 265.01,319.1 263.94,320.17 C18.2
ANALOGIN19_ASIC_A1: length 13.5
  TOP w0.127: U65.7 278.85,306.62 276.26,309.21 C19.2
ANALOGIN20_ASIC_A1: length 20.7
  TOP w0.127: U65.8 278.51,305.97 276.33,308.15 270.38,308.15 267.83,310.71 C20.2
ANALOGIN21_ASIC_A1: length 20.3
  TOP w0.127: U65.9 278.35,305.32 276.12,307.54 269.76,307.54 265.9,311.41 C21.2
ANALOGIN22_ASIC_A1: length 48
  TOP w0.127: C22.2 v2(324.74,313.85) ; v2(284.77,304.67) U65.10
  GND1 w0.127: v2(284.77,304.67) v3(285.51,304.67) ; v2(324.74,313.85) v3(325.75,313.85)
  SIG3 w0.127: v3(325.75,313.85) 322.05,313.85 318.72,310.51 291.35,310.51 v3(285.51,304.67)
ANALOGIN23_ASIC_A1: length 45.8
  TOP w0.127: C23.2 v2(323.51,307.78) ; v2(282.41,304.02) U65.11
  GND1 w0.127: v3(283.15,304.02) v2(282.41,304.02) ; v2(323.51,307.78) v3(322.75,307.78)
  SIG3 w0.127: v3(322.75,307.78) 322.15,307.19 316.75,307.19 316.75,307.19 316.27,307.19 316.27,307.19 314.83,307.19 313.99,308.03 310.13,308.03 309.25,307.14 289.43,307.14 286.32,304.02 v3(283.15,304.02)
ANALOGIN24_ASIC_A1: length 52
  TOP w0.127: v2(284.77,303.37) U65.12 ; C24.2 v2(332.14,307.24)
  GND1 w0.127: v2(332.14,307.24) v3(332.14,306.5) ; v3(285.51,303.37) v2(284.77,303.37)
  SIG3 w0.127: v3(332.14,306.5) 331.64,305.99 315.29,305.99 314.74,306.54 310.12,306.54 309.58,305.99 289.71,305.99 287.09,303.37 v3(285.51,303.37)
ANALOGIN25_ASIC_A1: length 8.9
  TOP w0.127: C25.2 275.88,305.52 277.74,303.66 281.66,303.66 282.6,302.72 U65.13
ANALOGIN26_ASIC_A1: length 2.5
  TOP w0.127: U65.14 281.86,302.07 281.72,302.21 C26.2
ANALOGIN27_ASIC_A1: length 38.4
  TOP w0.127: v2(284.77,301.42) 283.59,301.42 U65.15 ; C27.2 v2(319.29,304.95)
  GND1 w0.127: v2(319.29,304.95) v3(319.29,304.21) ; v3(285.51,301.42) v2(284.77,301.42)
  SIG3 w0.127: v3(285.51,301.42) 307.95,301.42 310.74,304.21 v3(319.29,304.21)
ANALOGIN28_ASIC_A1: length 42.1
  TOP w0.127: v2(282.41,300.77) U65.16 ; C28.2 v2(319.99,301.42)
  GND1 w0.127: v2(319.99,301.42) v3(319.26,301.42) ; v3(281.67,300.77) v2(282.41,300.77)
  SIG3 w0.127: v3(319.26,301.42) 316.71,301.42 315.39,300.1 312.47,300.1 311.8,300.77 v3(281.67,300.77)
ANALOGIN29_ASIC_A1: length 45
  TOP w0.127: v2(284.77,300.13) 283.6,300.13 U65.17 ; C29.2 v2(327.04,299.2)
  GND1 w0.127: v2(327.04,299.2) v3(326.31,299.2) ; v3(285.51,300.13) v2(284.77,300.13)
  SIG3 w0.127: v3(285.51,300.13) 286.24,299.39 325.12,299.39 325.31,299.2 v3(326.31,299.2)
ANALOGIN30_ASIC_A1: length 13.9
  TOP w0.127: C30.2 270.62,299.95 271.92,298.65 279.6,298.65 280.42,299.47 U65.18
ANALOGIN31_ASIC_A1: length 20.6
  TOP w0.127: U65.19 280.74,298.82 280.01,298.09 268.51,298.09 264.81,301.79 C31.2
ANALOGIN32_ASIC_A1: length 18.4
  TOP w0.127: U65.20 281.1,298.17 280.59,297.66 267.2,297.66 265.95,298.91 C32.2
ANALOGIN33_ASIC_A1: length 18.7
  TOP w0.127: U65.22 265.83,296.87 265.21,296.26 C33.2
ANALOGIN34_ASIC_A1: length 22.9
  TOP w0.127: U65.23 266.91,296.22 263.21,292.52 C34.2
ANALOGIN35_ASIC_A1: length 16.4
  TOP w0.127: C35.2 269.39,293.7 271.26,295.57 U65.24
ANALOGIN36_ASIC_A1: length 14.8
  TOP w0.127: C36.2 271.56,292.67 273.81,294.92 U65.25
ANALOGIN37_ASIC_A1: length 48
  TOP w0.127: v2(330.23,295.21) C37.2 ; v2(284.81,294.27) U65.26
  GND1 w0.127: v2(284.81,294.27) v3(285.55,294.27) ; v2(330.23,295.21) v3(329.49,295.21)
  SIG3 w0.127: v3(329.49,295.21) 319.04,295.21 318.1,294.27 v3(285.55,294.27)
ANALOGIN38_ASIC_A1: length 41.9
  TOP w0.127: U65.27 v2(282.41,293.62) ; v2(320.5,294.02) C38.2
  GND1 w0.127: v3(281.67,293.62) v2(282.41,293.62) ; v2(320.5,294.02) v3(319.76,294.02)
  SIG3 w0.127: v3(319.76,294.02) 319.36,293.62 v3(281.67,293.62)
ANALOGIN39_ASIC_A1: length 44.2
  TOP w0.127: v2(284.77,292.97) U65.28 ; C39.2 v2(326.31,291.63)
  GND1 w0.127: v2(284.77,292.97) v3(285.52,292.97) ; v2(326.31,291.63) v3(325.58,291.63)
  SIG3 w0.127: v3(285.52,292.97) 302.58,292.97 303.92,291.63 v3(325.58,291.63)
ANALOGIN40_ASIC_A1: length 5.4
  TOP w0.127: C40.2 282.59,292.31 282.6,292.32 U65.29
